# Altium PCB PCB1.PcbDoc
Units mil, origin at the board's own origin, x right, y up, seen from the top; angles counter-clockwise.
Board outline 1299.74 x 1299.74 mil, 2 copper layers (Top Layer, Bottom Layer); 212 components, 127 nets, 770 pads, 0 vias.
Unrouted connection lines stored in the file: 436.
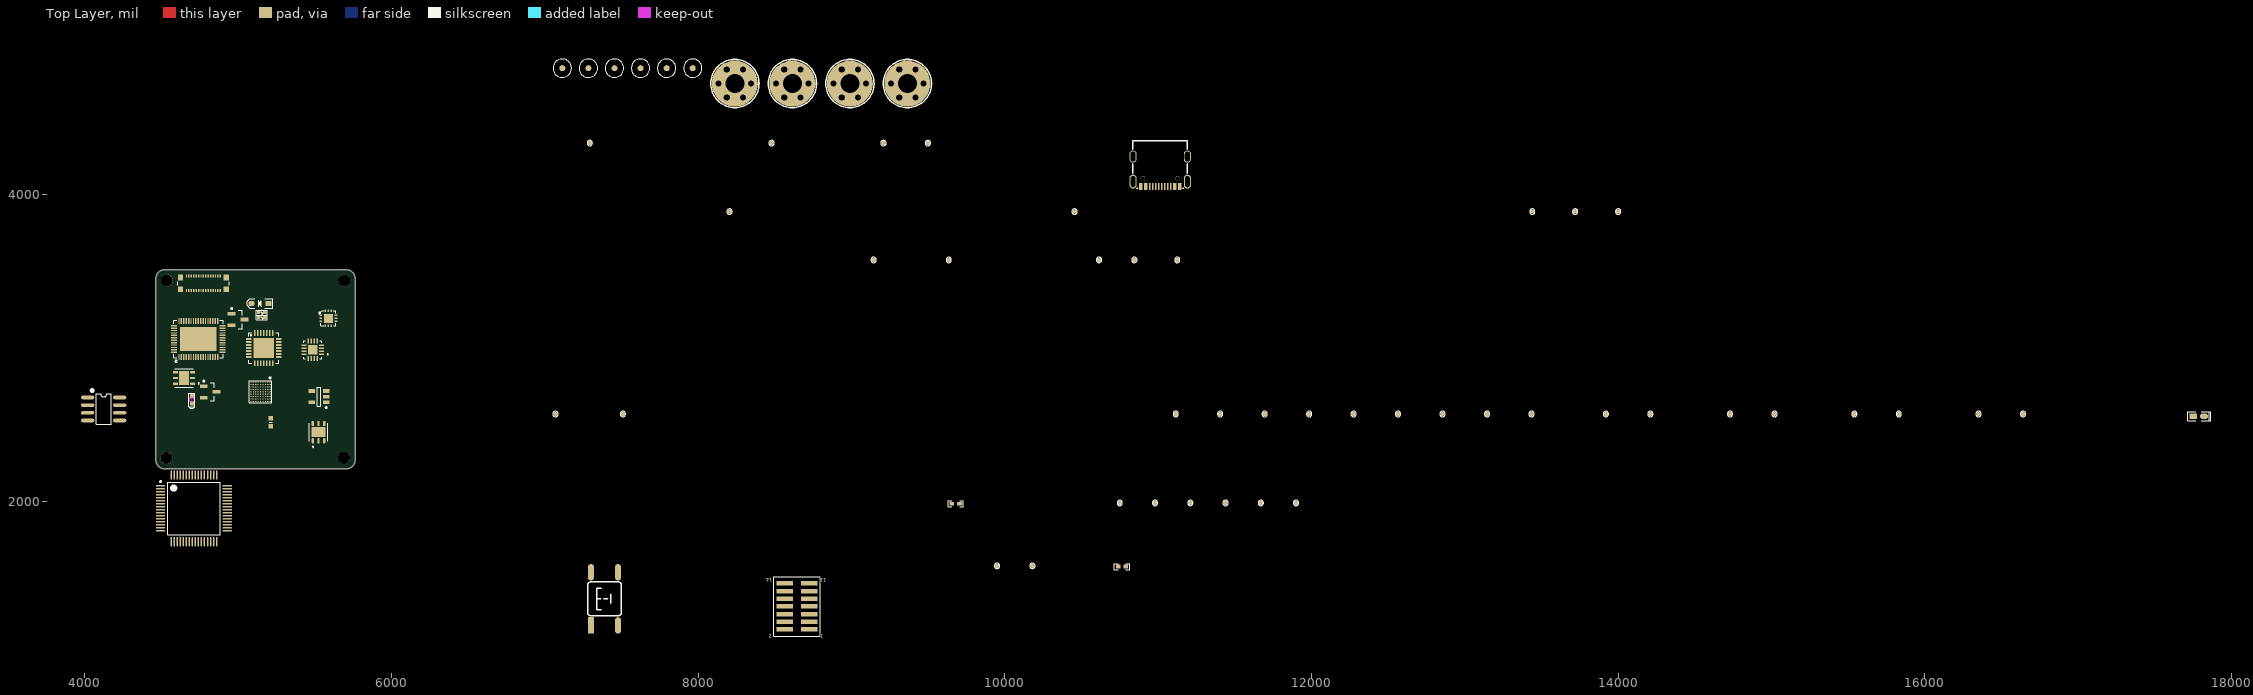
[diagram p0: Top Layer view]
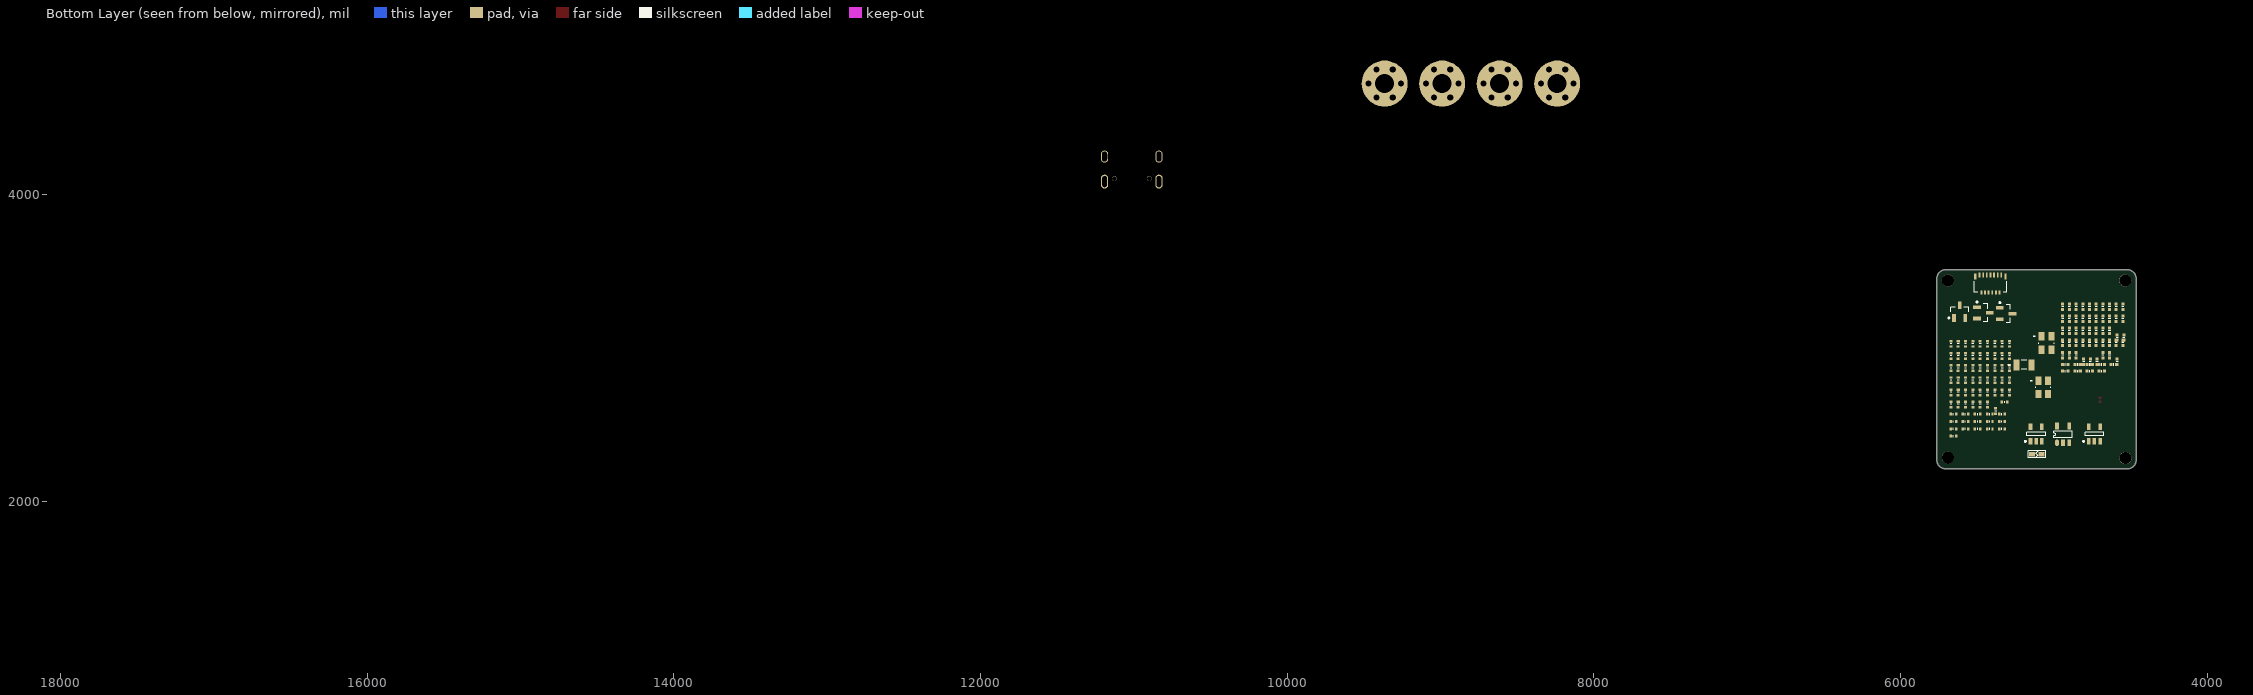
[diagram p1: Bottom Layer view, seen from below]

## Layer stack, top to bottom
Top Solder: solder mask 0.4, Solder Resist, Dk 3.5
Top Layer: signal copper 1.4
Dielectric 1: dielectric 12.6, FR-4, Dk 4.8
Bottom Layer: signal copper 1.4
Bottom Solder: solder mask 0.4, Solder Resist, Dk 3.5

## Board outline
4464.03,2270.92 4464.03,3452.02 cw(c4523.35,3452.02) 4523.35,3511.34 5704.45,3511.34 cw(c5704.45,3452.02) 5763.77,3452.02 5763.77,2270.92 cw(c5704.45,2270.92) 5704.45,2211.6 4523.35,2211.6 cw(c4523.35,2270.92)

## Design rules (kind name [scope] priority, off if disabled: settings)
Clearance [All] p1: gap=10 ignorepadtopadclearanceinfootprint=FALSE except(0: Arc-Hole Track-Hole SMDPad-Hole THPad-Hole Via-Hole Fill-Hole Poly-Hole Region-Hole Text-Hole)
DiffPairsRouting [All] p1: maxlimit=10 minlimit=10 mostfreqgap=10 toplayer_minwidth=15 toplayer_maxwidth=15 toplayer_prefwidth=15 bottomlayer_minwidth=15 bottomlayer_maxwidth=15 bottomlayer_prefwidth=15 maxuncoupledlength=500
PolygonConnect [All] p1: connectstyle=Relief reliefconductorwidth=10 reliefentries=4 polygonreliefangle="90 Angle" airgapwidth=10
RoomDefinition temp_packages [InComponentClass('temp_packages')] p1: confinementstyle=ConfineIn formatcopy=TRUE lockcomponents=FALSE outline 0,0 2000,0 2000,1000 0,1000
RoomDefinition 99_MISCS [InComponentClass('99_MISCS')] p2: confinementstyle=ConfineIn formatcopy=TRUE lockcomponents=FALSE outline 7045,4555 9535,4555 9535,4995 7045,4995
RoomDefinition 22_USB_CONNECTOR [InComponentClass('22_USB_CONNECTOR')] p3: confinementstyle=ConfineIn formatcopy=TRUE lockcomponents=FALSE outline 7039,4021.59 11224,4021.59 11224,4461.59 7039,4461.59
RoomDefinition 21_POWER_DOMAINS [InComponentClass('21_POWER_DOMAINS')] p4: confinementstyle=ConfineIn formatcopy=TRUE lockcomponents=FALSE outline 7045,3745 14425,3745 14425,4015 7045,4015
RoomDefinition 12_ADAU7118_CODEC [InComponentClass('12_ADAU7118_CODEC')] p5: confinementstyle=ConfineIn formatcopy=TRUE lockcomponents=FALSE outline 7045,3420 12475,3420 12475,3700 7045,3700
RoomDefinition 11_ES7201_LOOPBACK [InComponentClass('11_ES7201_LOOPBACK')] p6: confinementstyle=ConfineIn formatcopy=TRUE lockcomponents=FALSE outline 7045,3130 9470,3130 9470,3370 7045,3370
RoomDefinition 10_PDM_MICS [InComponentClass('10_PDM_MICS')] p7: confinementstyle=ConfineIn formatcopy=TRUE lockcomponents=FALSE outline 7045,2740 9295,2740 9295,3080 7045,3080
RoomDefinition 07_ISP [InComponentClass('07_ISP')] p8: confinementstyle=ConfineIn formatcopy=TRUE lockcomponents=FALSE outline 7045,2165 20710,2165 20710,2695 7045,2695
RoomDefinition 06_USB_HUB20 [InComponentClass('06_USB_HUB20')] p9: confinementstyle=ConfineIn formatcopy=TRUE lockcomponents=FALSE outline 7045,1755 12070,1755 12070,2115 7045,2115
RoomDefinition 05_SM32_MCU [InComponentClass('05_SM32_MCU')] p10: confinementstyle=ConfineIn formatcopy=TRUE lockcomponents=FALSE outline 7045,1060 12770,1060 12770,1705 7045,1705
RoutingVias [All] p1: holewidth=28 width=50 viastyle="Through Hole" minholewidth=28 minwidth=50 maxholewidth=28 maxwidth=50
SolderMaskExpansion [All] p1: expansion=4 istentingtop=FALSE
Width [All] p1: maxlimit=10 minlimit=10 preferedwidth=10
29 further rules are at their usual default settings.

## Classes and differential pairs
component class temp_packages: U
differential pair class USB: HUB1_D HUB2_D USB_D USB_M_D
differential pair class MIPI: MIPI_CSI_RX0_CLK MIPI_CSI_RX0_D0 MIPI_CSI_RX0_D1 MIPI_CSI_RX0_D2 MIPI_CSI_RX0_D3
differential pair class AUDIO_IN: AUDIO_R LOOPBACK_R
net class USB: HUB1_D_N HUB1_D_P USB_D_N USB_D_P
net class MIPI: MIPI_CSI_RX0_CLK_N MIPI_CSI_RX0_CLK_P MIPI_CSI_RX0_D0_N MIPI_CSI_RX0_D0_P MIPI_CSI_RX0_D1_N MIPI_CSI_RX0_D1_P MIPI_CSI_RX0_D2_N MIPI_CSI_RX0_D2_P MIPI_CSI_RX0_D3_N MIPI_CSI_RX0_D3_P
net class AUDIO_DIFF: AUDIO_R_N AUDIO_R_P LOOPBACK_R_N LOOPBACK_R_P
component class 99_MISCS: M1 M2 M3 M4 M5 M6 SP1 SP2 SP3 SP4
component class 22_USB_CONNECTOR: C47 C48 D1 ED1 FB1 R43 R44 R45 R46 R47 R48 TP19 TP20 TP21 TP22 U10 USBC1
component class 21_POWER_DOMAINS: C31 C32 C33 C34 C35 C36 C37 C38 C39 C40 C41 C42 C43 C44 C45 C46 L3 R38 R39 R40 R41 R42 TP14 TP15 TP16 TP17 TP18 U5 U6 U7 U8 U9
component class 07_ISP: C49 C50 C51 C52 C53 C54 C55 C56 C57 C58 C59 C60 C61 C62 C63 C64 C65 C66 C67 C68 C69 C70 D2 J3 R49 R50 R51 R52 R53 R54 R55 R56 R57 R58 TP23 TP24 TP25 TP26 TP27 TP28 TP29 TP30 TP31 TP32 TP33 TP34 TP35 TP36 TP37 TP38 TP39 TP40 TP41 U11 U12 U13
component class 12_ADAU7118_CODEC: C28 C29 C30 R24 R25 R26 R27 R28 R29 R30 R31 R32 R33 R34 R35 R36 R37 TP9 TP10 TP11 TP12 TP13 U4
component class 11_ES7201_LOOPBACK: C20 C21 C22 C23 C24 C25 C26 C27 R22 R23 U3
component class 10_PDM_MICS: J2 Q1 Q2 Q3 R16 R17 R18 R19 R20 R21
component class 06_USB_HUB20: C13 C14 C15 C16 C17 C18 C19 L2 R9 R10 R11 R12 R13 R14 R15 TP3 TP4 TP5 TP6 TP7 TP8 U2 X3
component class 05_SM32_MCU: C1 C2 C3 C4 C5 C6 C7 C8 C9 C10 C11 C12 J1 L1 R1 R2 R3 R4 R5 R6 R7 R8 SW1 TP1 TP2 U1 X1 X2
differential pair USB_M_D: +USB_M_D_P -USB_M_D_N
differential pair USB_D: +USB_D_P -USB_D_N
differential pair MIPI_CSI_RX0_D3: +MIPI_CSI_RX0_D3_P -MIPI_CSI_RX0_D3_N
differential pair MIPI_CSI_RX0_D2: +MIPI_CSI_RX0_D2_P -MIPI_CSI_RX0_D2_N
differential pair MIPI_CSI_RX0_D1: +MIPI_CSI_RX0_D1_P -MIPI_CSI_RX0_D1_N
differential pair MIPI_CSI_RX0_D0: +MIPI_CSI_RX0_D0_P -MIPI_CSI_RX0_D0_N
differential pair MIPI_CSI_RX0_CLK: +MIPI_CSI_RX0_CLK_P -MIPI_CSI_RX0_CLK_N
differential pair LOOPBACK_R: +LOOPBACK_R_P -LOOPBACK_R_N
differential pair HUB2_D: +HUB2_D_P -HUB2_D_N
differential pair HUB1_D: +HUB1_D_P -HUB1_D_N
differential pair AUDIO_R: +AUDIO_R_P -AUDIO_R_N

## Components (designator, comment, footprint, x,y, rotation, side; value= is the part's Value field where it differs from the comment)
C1 "1uF" C0402_L 5339.61,2568.75 r180 bottom
C2 "4.3pF" C0402_L 5418.78,2568.75 r180 bottom
C3 "4.3pF" C0402_L 5577.14,2521.06 r180 bottom
C4 "4.7uF" C0402_L 5656.32,2521.06 r180 bottom
C5 "20pF" C0402_L 5656.32,2568.75 r180 bottom
C6 "20pF" C0402_L 5322.5,2647.93 r180 bottom
C7 "100nF" C0402_L 5497.96,2568.75 r180 bottom
C8 "2.2uF" C0402_L 5577.14,2568.75 r180 bottom
C9 "2.2uF" C0402_L 5497.96,2521.06 r180 bottom
C10 "2.2uF" C0402_L 5624.38,2869.72 r90 bottom
C11 "2.2uF" C0402_L 5576.69,2869.72 r90 bottom
C12 "100nF" C0402_L 5529,2869.72 r90 bottom
C13 "100nF" C0402_L 5672.06,2869.72 r90 bottom
C14 "100nF" C0402_L 5385.94,2948.89 r90 bottom
C15 "100nF" C0402_L 5338.25,2948.89 r90 bottom
C16 "100nF" C0402_L 5290.56,2948.89 r90 bottom
C17 "20pF" C0402_L 5481.31,2869.72 r90 bottom
C18 "20pF" C0402_L 5672.06,2790.54 r90 bottom
C19 "100nF" C0402_L 5624.38,2790.54 r90 bottom
C20 "1uF" C0402_L 5576.69,2790.54 r90 bottom
C21 "1uF" C0402_L 5290.56,2869.72 r90 bottom
C22 "1uF" C0402_L 5433.62,2869.72 r90 bottom
C23 "1uF" C0402_L 5385.94,2869.72 r90 bottom
C24 "100nF" C0402_L 5338.25,2869.72 r90 bottom
C25 "1uF" C0402_L 5481.31,3028.07 r90 bottom
C26 "1uF" C0402_L 5433.62,3028.07 r90 bottom
C27 "1uF" C0402_L 5385.94,3028.07 r90 bottom
C28 "100nF" C0402_L 5529,3028.07 r90 bottom
C29 "100nF" C0402_L 5672.06,3028.07 r90 bottom
C30 "100nF" C0402_L 5624.38,3028.07 r90 bottom
C31 "4.7uF" C0402_L 5576.69,3028.07 r90 bottom
C32 "1uF" C0402_L 5338.25,3028.07 r90 bottom
C33 "100nF" C0402_L 5529,2948.89 r90 bottom
C34 "1uF" C0402_L 5481.31,2948.89 r90 bottom
C35 "1uF" C0402_L 5433.62,2948.89 r90 bottom
C36 "100nF" C0402_L 5576.69,2948.89 r90 bottom
C37 "100nF" C0402_L 5290.56,3028.07 r90 bottom net-tie
C38 "100nF" C0402_L 5672.06,2948.89 r90 bottom
C39 "4.7uF" C0402_L 5624.38,2948.89 r90 bottom
C40 "4.7uF" C0402_L 5290.56,2711.36 r90 bottom
C41 "1uF" C0402_L 5672.06,2632.18 r90 bottom
C42 "4.7uF" C0402_L 5338.25,2711.36 r90 bottom
C43 "1uF" C0402_L 5433.62,2711.36 r90 bottom
C44 "22pF" C0402_L 5385.94,2711.36 r90 bottom
C45 "10uF" C0402_L 5624.38,2632.18 r90 bottom
C46 "1uF" C0402_L 5433.62,2632.18 r90 bottom
C47 "22uF" C0603_L 5214,2516.59 r90 top
C48 "100nF" C0402_L 5379.93,2588.78 r90 bottom
C49 "100nF" C0402_L 5418.78,2521.06 r180 bottom
C50 "100nF" C0402_L 5497.96,2473.37 r180 bottom
C51 "1uF" C0402_L 5481.31,2632.18 r90 bottom
C52 "100nF" C0402_L 5656.32,2425.69 r180 bottom
C53 "100nF" C0402_L 5576.69,2632.18 r90 bottom
C54 "1uF" C0402_L 5529,2632.18 r90 bottom
C55 "100nF" C0402_L 5577.14,2473.37 r180 bottom
C56 "100nF" C0402_L 5385.94,2790.54 r90 bottom
C57 "100nF" C0402_L 5656.32,2473.37 r180 bottom
C58 "100nF" C0402_L 5338.25,2790.54 r90 bottom
C59 "1uF" C0402_L 5433.62,2790.54 r90 bottom
C60 "1uF" C0402_L 5529,2790.54 r90 bottom
C61 "1uF" C0402_L 5481.31,2790.54 r90 bottom
C62 "1uF" C0402_L 5418.78,2473.37 r180 bottom
C63 "100nF" C0402_L 5339.61,2473.37 r180 bottom
C64 "2.2uF" C0402_L 5290.56,2790.54 r90 bottom
C65 "100nF" C0402_L 5529,2711.36 r90 bottom
C66 "2.2uF" C0402_L 5481.31,2711.36 r90 bottom
C67 "100nF" C0402_L 5576.69,2711.36 r90 bottom
C68 "2.2uF" C0402_L 5672.06,2711.36 r90 bottom
C69 "100nF" C0402_L 5624.38,2711.36 r90 bottom
C70 "1uF" C0402_L 5339.61,2521.06 r180 bottom
D1 "B5819WS SL" SOD-323 5143,3291 r180 top
D2 "White LED 0603" LED0603_W 17785,2555 r0 top
ED1 "ESD5451N" ESD0402 4701,2637 r90 top
FB1 "MCZ1210AH900L2T" L0402D 5168.35,3255.1 r0 top net-tie
J1 "FTSH-107-01-F-DV-K-P-TR" SAMTEC-FTSH-107-01-X-DV 8645,1315 r90 top
J2 "1-2328724-3" 123287243 5414.38,3419.9 r0 bottom
J3 "AXE530127" AXE530127_COUNTERCLOCK_PIN 4774.5,3421.24 r180 top
L1 "BEAD" L0402 10765,1575 r0 top
L2 "120R" L0402 9680,1985 r0 top
L3 "UPZ1608U601-1R3TF" L0603 5112,2308 r180 bottom
M1 "MARK" MARK 7625,4825 r0 top net-tie
M2 "MARK" MARK 7795,4825 r0 top net-tie
M3 "MARK" MARK 7965,4825 r0 top net-tie
M4 "MARK" MARK 7115,4825 r0 top net-tie
M5 "MARK" MARK 7285,4825 r0 top net-tie
M6 "MARK" MARK 7455,4825 r0 top net-tie
Q1 "SS8050-G/PDTC114ET" SOT23 4818,2714 r0 top
Q2 "SS8050-G/PDTC114ET" SOT23 5460.34,3230 r180 bottom
Q3 "SS8050-G/PDTC114ET" SOT23 5312,3225 r180 bottom
R1 "0R" R0402 4767.35,2892.89 r180 bottom
R2 "0R" R0402 4688.29,2892.89 r180 bottom net-tie
R3 "0R" R0402 4925.47,2892.89 r180 bottom
R4 "0R" R0402 4846.41,2892.89 r180 bottom
R5 "0R" R0402 4609.23,2892.89 r180 bottom
R6 "0R" R0402 4767.35,2849.27 r180 bottom
R7 "0R" R0402 4688.29,2849.27 r180 bottom
R8 "0R" R0402 4925.47,2849.27 r180 bottom
R9 "10K" R0402 4846.41,2849.27 r180 bottom
R10 "10K" R0402 4725.09,3191.41 r90 bottom
R11 "10K" R0402 4681.47,3191.41 r90 bottom
R12 "680R" R0402 4637.85,3191.41 r90 bottom
R13 "10K" R0402 4855.95,3191.41 r90 bottom
R14 "10K" R0402 4812.33,3191.41 r90 bottom
R15 "4.7K" R0402 4768.71,3191.41 r90 bottom
R16 "1K" R0402 4899.57,3112.35 r90 bottom
R17 "200R" R0402 4855.95,3112.35 r90 bottom
R18 "1K" R0402 4812.33,3112.35 r90 bottom
R19 "200R" R0402 4594.23,3191.41 r90 bottom
R20 "1K" R0402 4550.61,3191.41 r90 bottom
R21 "200R" R0402 4943.19,3112.35 r90 bottom
R22 "10K" R0402 4812.33,3270.47 r90 bottom
R23 "10K" R0402 4768.71,3270.47 r90 bottom
R24 "0R" R0402 4725.09,3270.47 r90 bottom
R25 "10K" R0402 4943.19,3270.47 r90 bottom
R26 "10K" R0402 4899.57,3270.47 r90 bottom
R27 "0R" R0402 4855.95,3270.47 r90 bottom
R28 "0R" R0402 4550.61,3270.47 r90 bottom
R29 "0R" R0402 4943.19,3191.41 r90 bottom
R30 "0R" R0402 4899.57,3191.41 r90 bottom
R31 "0R" R0402 4681.47,3270.47 r90 bottom
R32 "0R" R0402 4637.85,3270.47 r90 bottom
R33 "0R" R0402 4594.23,3270.47 r90 bottom
R34 "0R" R0402 4768.71,3112.35 r90 bottom
R35 "0R" R0402 4943.19,2954.23 r90 bottom
R36 "10K" R0402 4899.57,2954.23 r90 bottom
R37 "0R" R0402 4855.95,2954.23 r90 bottom
R38 "10K" R0402 4637.85,3033.29 r90 bottom
R39 "120K" R0402 4594.23,3033.29 r90 bottom
R40 "100K" R0402 4550.61,3033.29 r90 bottom
R41 "180K" R0402 4681.47,2954.23 r90 bottom
R42 "68K" R0402 4637.85,2954.23 r90 bottom
R43 "5.1K" R0402 4588.23,2910.82 r90 bottom
R44 "510K" R0402 4806.33,2910.82 r90 bottom
R45 "0R" R0402 4762.71,2910.82 r90 bottom
R46 "510K" R0402 4719.09,2910.82 r90 bottom
R47 "0R" R0402 4588.23,3068.94 r90 bottom
R48 "510K" R0402 4544.61,3068.94 r90 bottom
R49 "0R" R0402 4943.19,3033.29 r90 bottom net-tie
R50 "2.2K" R0402 4725.09,3112.35 r90 bottom
R51 "0R" R0402 4681.47,3112.35 r90 bottom net-tie
R52 "510R" R0402 4637.85,3112.35 r90 bottom
R53 "2.2K" R0402 4768.71,3033.29 r90 bottom
R54 "2.2K" R0402 4725.09,3033.29 r90 bottom
R55 "2.2K" R0402 4681.47,3033.29 r90 bottom
R56 "2.2K" R0402 4899.57,3033.29 r90 bottom
R57 "10K" R0402 4855.95,3033.29 r90 bottom
R58 "10K" R0402 4812.33,3033.29 r90 bottom
SP1 "M3铜柱" M3x4_N 8240,4725 r0 top net-tie
SP2 "M3铜柱" M3x4_N 8615,4725 r0 top net-tie
SP3 "M3铜柱" M3x4_N 8990,4725 r0 top net-tie
SP4 "M3铜柱" M3x4_N 9365,4725 r0 top net-tie
SW1 "4x4x1.5" "TSW SMD-6*6*5" 7390,1365 r90 top
TP1 "ST_RX" TP_0R70 10180,1580 r90 top
TP2 "ST_TX" TP_0R70 9950,1580 r90 top
TP3 "" TP_0R70 11210,1990 r90 top
TP4 "" TP_0R70 11440,1990 r90 top
TP5 "" TP_0R70 11670,1990 r90 top
TP6 "" TP_0R70 11900,1990 r90 top
TP7 "" TP_0R70 10750,1990 r90 top
TP8 "" TP_0R70 10980,1990 r90 top
TP9 "TDM_FS" TP_0R70 10615,3575 r90 top
TP10 "TDM_SD" TP_0R70 10845,3575 r90 top
TP11 "TDM_SCK" TP_0R70 11125,3575 r90 top
TP12 "SCL" TP_0R70 9635,3575 r90 top
TP13 "SDA" TP_0R70 9145,3575 r90 top
TP14 "5V" TP_0R70 13440,3890 r90 top
TP15 "3V3" TP_0R70 13720,3890 r90 top
TP16 "TP_0.7" TP_0R70 14000,3890 r90 top net-tie
TP17 "1V1" TP_0R70 10455,3890 r90 top
TP18 "2V9" TP_0R70 8205,3890 r90 top
TP19 "DN" TP_0R70 9499,4336.59 r90 top
TP20 "DP" TP_0R70 9209,4336.59 r90 top
TP21 "RP" TP_0R70 8479,4336.59 r90 top
TP22 "RN" TP_0R70 7294,4336.59 r90 top
TP23 "MIPI_I2C_SCL" TP_0R70 16640,2570 r90 top
TP24 "MIPI_I2C_SDA" TP_0R70 16350,2570 r90 top
TP25 "MIPI_RST" TP_0R70 15830,2570 r90 top
TP26 "MIPI_MCLK" TP_0R70 15540,2570 r90 top
TP27 "MIPI_D3N" TP_0R70 15020,2570 r90 top
TP28 "MIPI_D3P" TP_0R70 14730,2570 r90 top
TP29 "MIPI_D1N" TP_0R70 14210,2570 r90 top
TP30 "MIPI_D1P" TP_0R70 13920,2570 r90 top
TP31 "MIPI_CLKN" TP_0R70 13435,2570 r90 top
TP32 "MIPI_CLKP" TP_0R70 13145,2570 r90 top
TP33 "MIPI_D0N" TP_0R70 12855,2570 r90 top
TP34 "MIPI_D0P" TP_0R70 12565,2570 r90 top
TP35 "MIPI_D2N" TP_0R70 12275,2570 r90 top
TP36 "MIPI_D2P" TP_0R70 11985,2570 r90 top
TP37 "1V8" TP_0R70 11695,2570 r90 top
TP38 "2V9" TP_0R70 11405,2570 r90 top
TP39 "1V1" TP_0R70 11115,2570 r90 top
TP40 "xedi" TP_0R70 7510,2570 r90 top
TP41 "3V3" TP_0R70 7070,2570 r90 top
U "STM32F446MEY6TR" BGA81C40P9X9_368X383X60 5146.99,2715 r270 top
U "W25N01GVZEIG_TR" SON95P300X300X100-7N 4648,2805 r180 top
U1 "STM32F446RET6" LQFP64_L 4712.48,1954.9 r0 top
U2 "GL850" QFN-28 5168,3000 r0 top
U3 "ES7201" QFN12 5540.47,3213.9 r0 top
U4 "ADAU7118" QFN50P300X300X80-17N 5487,2989 r180 top
U5 "PT5108E23E-18" SOT23-5 5528,2683 r180 top
U6 "LD39050PU33R" SON95P300X300X100-7N 5525,2452 r90 top
U7 "WL2836E11" SOT23-5 5116,2439 r90 bottom
U8 "RT8096A-B" SOT_23_5 4980.37,2382 r90 bottom
U9 "LP3983SAB5F" SOT23-5 4736.4,2439.24 r90 bottom
U10 "ESD5302F" SOT23 5000,3186.59 r0 top
U11 "SPCA2688A-HV35H" SPCA2680A_QFN58 4741,3059 r90 top
U12 "GD25D10B/ZB25VQ40ATIGT" SOIC-8 4124,2603 r0 top
U13 "SGM809-2.93V" SOT23 5615,3238 r90 bottom net-tie
USBC1 "TYPE-C 2.0 -16P" USB-C-SMD_16P 11014,4151.59 r0 top
X1 "ABS05-32.768kHz-7-T" XTAL_3215-32.768K 5196,2890 r180 bottom
X2 "8MHZ" XTAL_3225-8MHZ 5070,2744 r180 bottom
X3 "12MHZ" XTAL_3225-8MHZ 5049,3033 r180 bottom

## Footprints (in the part's own frame and the unit in brackets; to place one, negate y for a bottom-side part, rotate by r counter-clockwise, add the part's x,y. Pads: shape width x height; smd on the part's side, far side on the other; paste and mask are expansions set on the pad)
123287243 [mm]
  rect 0.3x0.85 smd: 1(-1.8,-1.425) 3(-1.2,-1.425) 5(-0.6,-1.425) 7(0,-1.425) 9(0.6,-1.425) 11(1.2,-1.425) 13(1.8,-1.425)
  rect 0.3x0.65 smd: 2(-1.5,1.425) 4(-0.9,1.425) 6(-0.3,1.425) 8(0.3,1.425) 10(0.9,1.425) 12(1.5,1.425)
  rect 0.4x0.95 smd: MP1(-2.5,-1.175) MP2(2.5,-1.175)
  silkscreen extent -2.7,-0.38 2.7,1.43, body extent -2.7,-1.96 2.7,1.52, height 1
AXE530127_COUNTERCLOCK_PIN [mm]
  rect 0.23x0.5 smd: 1(2.8,-1.2) 2(2.4,-1.2) 3(2,-1.2) 4(1.6,-1.2) 5(1.2,-1.2) 6(0.8,-1.2) 7(0.4,-1.2) 8(0,-1.2) 9(-0.4,-1.2) 10(-0.8,-1.2) 11(-1.2,-1.2) 12(-1.6,-1.2) 13(-2,-1.2) 14(-2.4,-1.2) 15(-2.8,-1.2) 16(-2.8,1.2) 17(-2.4,1.2) 18(-2,1.2) 19(-1.6,1.2) 20(-1.2,1.2) 21(-0.8,1.2) 22(-0.4,1.2) 23(0,1.2) 24(0.4,1.2) 25(0.8,1.2) 26(1.2,1.2) 27(1.6,1.2) 28(2,1.2) 29(2.4,1.2) 30(2.8,1.2)
  rect 0.9x0.92 smd: MP1(-3.8,-0.99) MP2(3.8,-0.99) MP3(3.8,0.99) MP4(-3.8,0.99)
  silkscreen extent -4.25,-0.3 4.25,0.3, body extent -4.25,-1.43 4.25,1.43, height 1.07
BGA81C40P9X9_368X383X60 [mm]
  round 0.2 smd mask+0: A1(-1.6,1.6) A2(-1.2,1.6) A3(-0.8,1.6) A4(-0.4,1.6) A5(0,1.6) A6(0.4,1.6) A7(0.8,1.6) A8(1.2,1.6) A9(1.6,1.6) B1(-1.6,1.2) B2(-1.2,1.2) B3(-0.8,1.2) B4(-0.4,1.2) B5(0,1.2) B6(0.4,1.2) B7(0.8,1.2) B8(1.2,1.2) B9(1.6,1.2) C1(-1.6,0.8) C2(-1.2,0.8) C3(-0.8,0.8) C4(-0.4,0.8) C5(0,0.8) C6(0.4,0.8) C7(0.8,0.8) C8(1.2,0.8) C9(1.6,0.8) D1(-1.6,0.4) D2(-1.2,0.4) D3(-0.8,0.4) D4(-0.4,0.4) D5(0,0.4) D6(0.4,0.4) D7(0.8,0.4) D8(1.2,0.4) D9(1.6,0.4) E1(-1.6,0) E2(-1.2,0) E3(-0.8,0) E4(-0.4,0) E5(0,0) E6(0.4,0) E7(0.8,0) E8(1.2,0) E9(1.6,0) F1(-1.6,-0.4) F2(-1.2,-0.4) F3(-0.8,-0.4) F4(-0.4,-0.4) F5(0,-0.4) F6(0.4,-0.4) F7(0.8,-0.4) F8(1.2,-0.4) F9(1.6,-0.4) G1(-1.6,-0.8) G2(-1.2,-0.8) G3(-0.8,-0.8) G4(-0.4,-0.8) G5(0,-0.8) G6(0.4,-0.8) G7(0.8,-0.8) G8(1.2,-0.8) G9(1.6,-0.8) H1(-1.6,-1.2) H2(-1.2,-1.2) H3(-0.8,-1.2) H4(-0.4,-1.2) H5(0,-1.2) H6(0.4,-1.2) H7(0.8,-1.2) H8(1.2,-1.2) H9(1.6,-1.2) J1(-1.6,-1.6) J2(-1.2,-1.6) J3(-0.8,-1.6) J4(-0.4,-1.6) J5(0,-1.6) J6(0.4,-1.6) J7(0.8,-1.6) J8(1.2,-1.6) J9(1.6,-1.6)